# Allegro board BeagleBone AI -64_PCB_V1.02_211119.brd (continued)
## Routing (per net, layer and track width the routed paths; a pad name or vN(x,y) marks a point on that pad's centre or on a via; arc(x,y) is an arc through that point) (continued)
  BOTTOM w0.203: U3.14 21.41,15.04 21.41,15.04 v1(21.85,15.04)
ILIM_V3V3_DP0: length 1.4
  TOP w0.165: R312.1 13.19,11.4 13.22,11.37 U22.5
ILM: length 1.8
  BOTTOM w0.165: R16.1 40.47,13.47 40.44,13.44 U1.10
J27_MCU_BOOTMODE07: length 6.4
  TOP w0.229: U19.J27 -15.89,44.38 v1(-16.29,43.98)
  BOTTOM w0.114: -18.31,44.4 -16.76,44.4 -16.54,44.18 -16.49,44.18 v1(-16.29,43.98)
  BOTTOM w0.165: -18.31,44.4 -18.63,44.07 -20.37,44.07 -20.6,44.3 R124.2 -20.6,45.33 R125.1 -20.62,45.37
J28_WKUP_UART0_TXD: length 133.7
  TOP w0.165: v1(48.77,39.8) 48.67,39.9 U33.5
  TOP w0.229: U19.J28 -16.69,44.38 v1(-17.09,43.98)
  L5-SIGNAL w0.102: v1(48.77,39.8) 49.16,39.42 49.16,38.13 50.44,36.84 50.44,35.32 50.15,35.03 50.15,25.2 45.5,20.55 45.5,13.65 43.79,11.94 40.57,11.94 39.5,10.87 39.5,8.97 38.94,8.41 36.94,8.41 36.35,8.99 31.91,8.99 30.87,7.95 v1(30.84,7.95)
  L10-SIGNAL w0.102: v1(-19.27,16.82) -19.27,21.97 -17.81,23.43 -17.81,28.75 -17.6,28.97 -17.6,29.47 -17.81,29.68 -17.81,30.29 -18.36,30.84 -18.36,42.72 v1(-17.09,43.98)
  L12-SIGNAL w0.102: v1(-19.27,16.82) -18.79,16.33 -16.6,16.33 -15.23,14.96 -11.61,14.96 -11.58,14.99 -8.4,14.99 -7.84,14.43 -5.43,14.43 -4.93,13.93 -4.07,13.93 -1.11,10.97 1.34,10.97 3.43,8.88 4.58,8.88 4.96,8.5 5.28,8.5 5.92,9.15 14.03,9.15 14.74,8.43 16.11,8.43 17.18,9.5 18.35,9.5 18.73,9.12 19.56,9.12 20.17,9.73 27.79,9.73 29.78,7.75 30.64,7.75 v1(30.84,7.95)
J29_WKUP_UART0_RXD: length 139.7
  TOP w0.165: U33.6 48.17,39.72 v1(48.77,39.12)
  TOP w0.229: v1(-17.89,43.98) -17.89,43.98 U19.J29
  L5-SIGNAL w0.102: v1(30.28,6.58) 30.28,8.31 31.2,9.22 36.56,9.22 37.14,8.64 38.84,8.64 39.25,9.04 39.25,11.01 40.41,12.17 43.69,12.17 45.27,13.74 45.27,20.65 49.92,25.3 49.92,35.08 49.66,35.33 49.66,35.64 49.94,35.92 49.94,36.2 49.69,36.45 49.69,36.91 48.77,37.82 v1(48.77,39.12)
  L10-SIGNAL w0.102: v1(-17.89,43.98) -18.56,43.32 -18.56,39.22 -19.25,38.53 -19.25,38.23 -18.79,37.77 -18.79,36.06 -19.18,35.67 -19.18,33.56 -19.43,33.31 -19.43,31.57 -20.26,30.74 -20.26,17.81 -20.36,17.71 -20.36,14.16 -20.14,13.93 v1(-20.14,13.13)
  L12-SIGNAL w0.102: v1(30.28,6.58) 29.58,6.58 27.44,8.71 21.82,8.71 18.95,5.84 16.95,5.84 16.47,6.33 16.2,6.33 16.1,6.43 12.63,6.43 12.62,6.44 8.12,6.44 7.91,6.22 3.67,6.22 2.04,7.85 2.04,8.3 0.76,9.58 -1.66,9.58 -4.47,12.39 -8.73,12.39 -9.83,13.49 -19.78,13.49 v1(-20.14,13.13)
K24_AIN4/AC28_GPIO0_50: length 50
  L5-SIGNAL w0.102: v1(-22.17,22.84) -22.82,22.19 -26.56,22.19 -26.58,22.18 -28.82,22.18 v1(-29.13,22.48)
  L8-PWR/GND w0.127: v1(-28.72,46.46) -26.61,48.57 -26.61,54.54 -26.26,54.89 -26.26,55.48 v1(-25.93,55.81)
  L10-SIGNAL w0.102: v1(-29.13,22.48) -29.25,22.61 -29.25,25.02 -29.86,25.63 -29.86,26.57 -29.03,27.41 -29.03,39.68 -28.81,39.89 -28.81,41.31 -28.95,41.45 -28.95,41.76 -28.81,41.9 -28.81,43.38 -28.75,43.45 -28.75,44.72 -29.28,45.25 -29.28,45.9 v1(-28.72,46.46)
  BOTTOM w0.165: P9.33 -21.77,22.43 v1(-22.17,22.84) ; R129.2 -22.8,56.57 -23.29,56.07 -23.73,56.07 -23.95,56.29 -25.4,56.29 -25.52,56.17 -25.57,56.17 v1(-25.93,55.81) ; R145.2 v1(-28.72,46.46)
K25_AIN0/AJ28_GPIO0_54: length 65.8
  TOP w0.165: v1(-17.04,63.3) -16.96,63.22 R281.2 ; R187.2 v1(-29.81,43.81)
  L10-SIGNAL w0.102: v1(-29.33,21.78) -30.09,22.54 -30.09,28.27 -29.48,28.88 -29.48,39.78 -30.09,40.39 -30.09,43.52 v1(-29.81,43.81)
  L12-SIGNAL w0.102: v1(-29.81,43.81) -30.67,43.81 -31.06,44.2 -32.39,44.2 -32.52,44.07 -32.82,44.07 -32.95,44.2 -33.7,44.2 -33.8,44.3 -33.8,46.74 -35.45,48.39 -35.45,55.83 -35.83,56.21 -35.83,59.77 -34.77,60.83 -33.5,60.83 -32.76,61.57 -29.2,61.57 -28.92,61.85 -28.21,61.85 -27.45,62.61 -24.85,62.61 -24.67,62.79 -22.54,62.79 -22.16,63.17 -19.69,63.17 -19.45,62.93 -17.62,62.93 -17.53,63.02 -17.32,63.02 v1(-17.04,63.3)
  BOTTOM w0.165: v1(-29.33,21.78) -29.33,21.77 -29.39,21.71 P9.39
K26_AIN1/AA26_GPIO0_81: length 41
  TOP w0.165: R255.2 v1(-21.38,54.03) ; v1(-29.36,25.88) -29.29,25.82 D30.2
  L5-SIGNAL w0.102: v1(-29.15,52.67) -29.15,53.27 -28.9,53.52 -28.44,53.52 -27.67,54.29 -24.62,54.29 -24.45,54.12 -22.09,54.12 -22,54.03 v1(-21.38,54.03)
  L10-SIGNAL w0.102: v1(-29.15,52.67) -28.25,51.76 -28.25,50.79 -27.45,49.99 -27.45,49 -27.37,48.93 -27.37,48.4 v1(-28.36,47.42) -28.36,46.63 -27.65,45.92 -27.65,45.21 -27.86,45.01 -27.86,44.73 -27.96,44.63 -27.96,44.32 -27.86,44.22 -27.86,40.51 -28.8,39.57 -28.8,27.47 -28.72,27.39 -28.72,26.52 v1(-29.36,25.88)
  BOTTOM w0.165: v1(-29.36,25.88) -29.39,25.91 P9.40 ; v1(-28.36,47.42) -28.78,47.42 -29.4,46.8 R148.2
K27_AIN5/AH29_GPIO0_56: length 71.2
  TOP w0.165: R177.2 -32.62,44.39 v1(-32.67,44.44) ; D35.2 -21.78,27.79 v1(-22.29,27.79) ; v1(-21.02,62.79) -20.34,62.79 -19.99,63.14 -19.58,63.14 -19.52,63.08 R278.2
  L5-SIGNAL w0.102: v1(-22.29,27.79) -24.51,27.79 -24.7,27.6 -25.18,27.6 -26.31,28.73 -29.51,28.73 -30.25,27.99 -30.25,26.32 -30.63,25.93 -32.3,25.93 -33.01,26.65 v1(-33.01,27.05)
  L10-SIGNAL w0.102: v1(-32.67,44.44) -32.95,44.16 -32.95,44.15 -33.06,44.04 -33.06,42.83 -33.52,42.37 -33.52,40.64 -33.17,40.29 -33.17,27.28 -33.01,27.13 v1(-33.01,27.05)
  L12-SIGNAL w0.102: v1(-21.02,62.79) -22.22,62.79 -22.47,62.54 -24.6,62.54 -25.06,62.08 -27.55,62.08 -28.11,61.52 -28.92,61.52 -29.1,61.34 -31.13,61.34 -31.87,60.61 -34.67,60.61 -35.6,59.67 -35.6,56.31 -35.22,55.93 -35.22,48.48 -33.57,46.83 -33.57,45.34 v1(-32.67,44.44)
  BOTTOM w0.165: v1(-22.29,27.79) -24,27.79 -24.31,27.48 P9.36
K28_AIN2/AG28_GPIO0_57: length 50
  L5-SIGNAL w0.102: v1(-23.77,21.77) -23.82,21.82 v1(-26.41,21.82)
  L8-PWR/GND w0.127: v1(-23.77,21.77) -23.34,22.2 -23.34,27.48 -21.84,28.98 -21.84,37.06 -21.2,37.7 -21.2,38.4 -21.17,38.43 -21.17,39.35 -20.26,40.26 -20.26,40.54 -19.67,41.13 -19.67,42.44 -20.1,42.86 -20.1,45.7 v1(-19.73,46.06)
  L10-SIGNAL w0.102: v1(-19.75,62.71) -19.07,62.03 -19.07,54.71 -19.5,54.28 -19.5,53.27 -18.94,52.71 -18.94,50.75 -20.36,49.33 -20.36,46.7 v1(-19.73,46.06)
  BOTTOM w0.165: v1(-19.73,46.06) -19.73,46.1 -19.6,45.97 R117.2 ; R108.2 v1(-19.75,62.71) ; P9.37 -26.85,21.62 -26.64,21.82 v1(-26.41,21.82)
K29_AIN6/AH27_GPIO0_55: length 93.7
  TOP w0.165: v1(-21.63,43.79) -21.56,43.79 -21.44,43.91 R265.2
  L3-SIGNAL w0.102: v1(-21.63,43.79) -23.23,43.79 -23.78,44.34 -24.2,44.34 -24.25,44.29 -25.03,44.29 -26.59,45.85 -30.91,45.85 -31.22,46.17 -31.22,47.26 -30.88,47.61 v1(-30.88,48.01)
  L5-SIGNAL w0.102: v1(-30.88,48.01) -31.43,48.57 -37.2,48.57 v1(-37.51,48.87) ; v1(-36.72,25.88) -35.91,25.07 -35.91,24.16 -35.38,23.62 -27.63,23.62 -26.82,22.81 v1(-26.41,22.81)
  L10-SIGNAL w0.102: v1(-33.37,61.72) -36.47,61.72 -36.87,61.32 -36.87,52.88 -38.09,51.67 -38.09,49.46 v1(-37.51,48.87) -37.51,48.01 -38.96,46.56 -38.96,29.74 -38.07,28.86 -38.07,26.57 -37.87,26.37 -37.2,26.37 v1(-36.72,25.88)
  L12-SIGNAL w0.102: v1(-33.37,61.72) -32.98,61.72 -32.87,61.83 -30.22,61.83 -29.48,62.56 -29.48,63.33 -28.85,63.96 -28.23,63.96 -27.99,63.72 -27.99,63.71 -27.12,62.84 -24.94,62.84 -24.77,63.02 -22.64,63.02 -22.08,63.58 v1(-20.34,63.58)
  BOTTOM w0.165: v1(-26.41,22.81) -25.5,22.81 -24.31,21.62 P9.35 ; R109.2 v1(-20.34,63.58)
L28_AIN3/AG27_GPIO0_58: length 40.3
  TOP w0.165: v1(-21.65,47.62) -21.65,47.28 -21.15,46.78 R266.2 ; R257.2 v1(-21.46,59.56) ; v1(-25.67,28.65) -25.78,28.55 D33.2
  L8-PWR/GND w0.127: v1(-21.65,47.62) -22.97,47.62 -23.73,46.85 -23.73,45.21 -23.44,44.92 -23.44,43.32 -22.71,42.6 -22.71,41.49 -23.24,40.97 -23.63,40.97 -24.04,40.56 -24.04,35.96 -23.91,35.83 -23.91,35.5 -24.67,34.74 -24.67,33.06 -25.32,32.41 -25.32,29.01 v1(-25.67,28.65)
  L10-SIGNAL w0.102: v1(-21.65,47.62) -21.65,48.59 -21.62,48.62 -21.62,48.92 -21.84,49.14 -21.84,50.19 -21.69,50.34 -21.33,50.34 -21.15,50.52 -21.15,53.05 -21.09,53.11 -21.09,53.42 -21.15,53.48 -21.15,53.73 -21.01,53.87 -21.01,54.18 -21.15,54.32 -21.15,55.06 -21.48,55.38 -21.48,58.11 -21.76,58.4 -21.76,59.26 v1(-21.46,59.56)
  BOTTOM w0.165: v1(-25.67,28.65) -25.67,27.92 -26.85,26.74 P9.38
LEOA_GPIO9: length 13.8
  TOP w0.165: U30.19 v1(41.13,48.64)
  BOTTOM w0.165: v1(50.93,44.78) 46.1,49.62 41.57,49.62 41.13,49.17 v1(41.13,48.64)
LEOA_OSC32KCAP: length 1.3
  TOP w0.165: U30.40 v1(47,56.12)
  BOTTOM w0.254: C7.1 46.97,56.15 v1(47,56.12)
LEOA_OSC32KIN: length 8.5
  TOP w0.165: X5.2 51.64,59.97 51.29,59.62 51.29,59.08 C529.2 49.84,57.3 48.88,57.3 48.05,56.47 48.05,56.11 47.07,55.12 U30.38
LEOA_OSC32KOUT: length 11.3
  TOP w0.165: U30.39 47.1,55.62 47.66,56.18 47.66,56.6 48.69,57.63 49.64,57.63 50.54,58.53 C527.2 51.53,61.94 52.01,62.43 X5.1
LEOA_SCLK: length 34.7
  TOP w0.165: U29.23 v1(41.07,20.7) ; U30.23 v1(43.13,48.65)
  L5-SIGNAL w0.102: v1(41.07,20.7) 41.07,23.03 43.87,25.83 43.87,27.05 45.05,28.22 45.42,28.22 46.27,29.07 46.27,32.63 47.1,33.45 47.1,42.01 43.62,45.49 43.62,46.59 43.59,46.61 43.59,48.19 v1(43.13,48.65)
LEOA_SDATA: length 33.5
  TOP w0.165: U29.24 v1(41.57,21.25) ; U30.24 v1(43.63,49.19)
  L5-SIGNAL w0.102: v1(41.57,21.25) 41.57,23.2 44.1,25.73 44.1,26.95 44.11,26.95 45.15,27.99 45.6,27.99 46.58,28.97 46.58,32.55 47.33,33.3 47.33,42.11 43.85,45.59 43.85,48.39 43.63,48.61 v1(43.63,49.19)
LEOA_WDOG_DISABLE: length 3.3
  TOP w0.165: U30.41 47.15,56.62 v1(47.22,56.69)
  BOTTOM w0.254: R6.2 46.42,56.69 v1(47.22,56.69) 47.5,56.97 R4.2 R3.2
LEOB_ENABLE: length 31.1
  TOP w0.165: R338.2 R339.2 32.77,46.97 33.94,45.8 v1(33.94,44.32) ; v1(38.87,20.91) 39.17,21.21 39.38,21.21 39.57,21.41 U29.20
  L5-SIGNAL w0.102: v1(33.94,44.32) 33.94,31.55 37.12,28.37 37.12,22.66 v1(38.87,20.91)
LM5141_PG: length 99.8
  TOP w0.165: R176.1 -33.82,46.04 -33.23,46.64 v1(-33.04,46.64)
  L5-SIGNAL w0.102: v1(18.33,7.79) 15.45,10.67 3.56,10.67 1.88,12.35 -21.56,12.35 -24.38,9.53 -30.88,9.53 v1(-31.18,9.22)
  L10-SIGNAL w0.102: v1(-33.04,46.64) -33.04,46.24 -33.29,45.99 -33.29,42.98 -34.49,41.78 -34.49,40.74 -33.95,40.21 -33.95,37.8 -33.94,37.79 -33.94,37.3 -34.04,37.19 -34.04,32.8 -33.42,32.18 -33.42,26.85 -32.61,26.04 -32.61,21.85 -31.1,20.33 -31.1,18.51 -30.37,17.78 -30.37,14.28 -30.54,14.11 -30.54,12.66 -29.75,11.88 -29.75,10.05 -30.58,9.22 v1(-31.18,9.22)
  BOTTOM w0.165: v1(18.33,7.79) R47.2 18.19,7.81 18.64,8.26 U3.21
LM5141_PG_R: length 3.7
  TOP w0.165: R176.2 -32.91,46.02 -32.69,46.25 U16.2
LO_LM5141: length 3.4
  BOTTOM w0.203: U3.8 17.64,16.71 17.44,16.91 15.97,16.91 15.42,16.37 R60.1
LOL_LM5141: length 2.7
  BOTTOM w0.203: U3.7 17.14,16.4 16.99,16.54 16.35,16.54 15.42,15.61 R61.1
LPDDR4_CA0: length 34.1
  TOP w0.251: v1(25.99,41.94) 25.99,41.94 25.59,41.62 U25.H2 ; v1(2.91,42.38) 2.91,42.38 U19.G4 ; v1(25.99,45.85) 25.59,46.17 U25.R2
  L3-SIGNAL w0.076: v1(25.99,45.85) 25.74,45.6 25.69,45.6 25.59,45.49 25.59,45.29 26.1,44.78 26.1,44.52 v1(25.58,44) 25.88,43.7 25.88,42.89 25.58,42.59 25.58,42.35 v1(25.99,41.94)
  L12-SIGNAL w0.173: v1(25.58,44) 24.77,43.19 23.38,43.19 22.26,42.07 22.26,41.08 22.52,40.83 22.52,40.44 22.16,40.09 21.75,40.09 21.37,40.47 16.42,40.47 15.71,39.76 7.22,39.76 6.16,40.83 6.16,41.51 5.69,41.98 3.31,41.98 v1(2.91,42.38)
LPDDR4_CA1: length 34
  TOP w0.251: U25.P2 v1(25.19,45.85) ; U19.H3 v1(3.71,43.18) ; U25.J2 v1(25.19,41.94)
  L3-SIGNAL w0.076: v1(25.19,41.94) 24.79,42.34 24.79,42.77 24.48,43.08 24.48,43.69 v1(24.79,44) 24.54,44.25 24.45,44.25 24.3,44.4 24.3,44.62 24.83,45.14 24.83,45.49 v1(25.19,45.85)
  L12-SIGNAL w0.173: v1(24.79,44) 25.15,44.35 25.15,44.64 25.05,44.74 23.05,44.74 22.68,44.37 22.68,43.2 21.73,42.25 21.73,41.16 21.45,40.88 17.01,40.88 16.99,40.9 16.19,40.9 15.56,40.27 7.41,40.27 6.74,40.94 6.74,42.38 6.49,42.63 5.63,42.63 5.48,42.78 4.11,42.78 v1(3.71,43.18)
LPDDR4_CA2: length 34.1
  TOP w0.251: U25.R9 19.99,46.19 19.59,45.86 v1(19.59,45.85) ; U19.K5 2.11,44.78 v1(2.11,44.78) ; v1(19.59,41.94) 19.91,41.62 U25.H9
  L3-SIGNAL w0.076: v1(19.59,45.85) 20,45.43 20,45.02 20.2,44.81 20.33,44.81 20.44,44.7 20.44,44.46 v1(19.98,44) 20.28,43.69 20.28,43.18 19.98,42.87 19.98,42.34 v1(19.59,41.94)
  L12-SIGNAL w0.173: v1(2.11,44.78) 2.51,45.18 2.51,45.81 2.69,45.98 3.88,45.98 4.11,46.22 4.11,46.55 4.35,46.78 5.71,46.78 6.44,47.51 11.46,47.51 11.8,47.85 11.8,48.13 12.45,48.78 14.82,48.78 16.24,47.36 17.16,47.36 17.19,47.33 21.6,47.33 22.07,46.86 22.07,44.96 21.53,44.41 20.39,44.41 v1(19.98,44)
LPDDR4_CA3: length 34.1
  TOP w0.251: U25.H10 18.79,41.94 v1(18.79,41.94) ; U25.R10 v1(18.79,45.85) ; U19.J4 2.51,44.38 2.91,43.98 v1(2.91,43.98)
  L3-SIGNAL w0.076: v1(18.79,45.85) 19.23,45.4 19.23,45.05 19.68,44.6 19.68,44.39 19.53,44.25 19.44,44.25 v1(19.19,44) 19.5,43.69 19.5,43.12 19.19,42.81 19.19,42.35 v1(18.79,41.94)
  L12-SIGNAL w0.173: v1(19.19,44) 19.19,44.49 19.49,44.78 21.29,44.78 21.72,45.21 21.72,46.6 21.41,46.91 17.01,46.91 16.67,46.57 15.45,46.57 15,47.02 15,47.81 14.74,48.06 12.8,48.06 12.54,47.81 12.54,47.13 12.38,46.97 6.76,46.97 5.77,45.98 5.48,45.98 5.48,45.98 5.09,45.98 4.91,45.8 4.91,45.42 4.68,45.18 3.53,45.18 3.31,44.97 3.31,44.38 v1(2.91,43.98)
LPDDR4_CA4: length 34.1
  TOP w0.251: U25.H11 v1(17.99,41.94) ; U25.R11 v1(17.99,45.85) ; U19.K2 v1(4.51,44.78)
  L3-SIGNAL w0.076: v1(17.99,41.94) 18.38,42.34 18.38,42.75 18.7,43.07 18.7,43.68 v1(18.38,44) 18.63,44.25 18.77,44.25 18.83,44.31 18.83,44.62 18.4,45.06 18.4,45.43 v1(17.99,45.85)
  L12-SIGNAL w0.173: v1(18.38,44) 18.77,44.39 18.77,44.66 18.64,44.78 18.31,44.78 18.09,44.56 16.77,44.56 16.57,44.76 16.57,45.65 16.24,45.98 15.62,45.98 15.47,45.83 14.54,45.83 14.31,46.06 14.31,46.44 14.11,46.64 13.42,46.64 13.22,46.44 13.22,45.14 13.02,44.94 12.13,44.94 11.87,45.19 11.87,46.24 11.67,46.44 11.09,46.44 10.88,46.24 10.88,45.14 10.68,44.94 9.92,44.94 9.76,45.09 9.76,46.31 9.61,46.46 9.13,46.46 8.97,46.3 8.97,45.1 8.81,44.94 8.59,44.94 8.43,45.1 8.43,45.97 8.27,46.13 8.04,46.13 7.88,45.97 7.88,45.1 7.72,44.94 7.49,44.94 7.33,45.1 7.33,45.97 7.17,46.13 6.79,46.13 6.67,46.01 6.67,45.37 6.48,45.18 5.15,45.18 5.13,45.17 5.12,45.17 4.73,44.78 v1(4.51,44.78)
LPDDR4_CA5: length 34.1
  TOP w0.251: U25.P11 v1(17.99,45.2) ; U19.H5 v1(2.11,43.18) ; U25.J11 v1(17.99,42.59)
  L3-SIGNAL w0.076: v1(17.99,45.2) 18.24,44.95 18.24,44.61 18.05,44.42 17.7,44.42 17.58,44.53 17.18,44.53 17.01,44.36 v1(17.01,44) 17.01,43.65 17.16,43.49 18.02,43.49 18.18,43.34 18.18,43.14 17.99,42.95 v1(17.99,42.59)
  L12-SIGNAL w0.173: v1(2.11,43.18) 2.51,43.58 3.91,43.58 4.11,43.78 4.11,44.19 4.31,44.38 5.48,44.38 5.49,44.4 7.97,44.4 8.19,44.18 8.19,43.57 8.39,43.37 8.7,43.37 8.9,43.57 8.9,44.15 9.1,44.36 9.48,44.36 9.68,44.15 9.68,43.5 9.84,43.34 10.07,43.34 10.23,43.5 10.23,44.12 10.39,44.28 10.61,44.28 10.77,44.12 10.77,43.5 10.93,43.34 11.16,43.34 11.32,43.5 11.32,44.37 11.48,44.53 11.71,44.53 11.87,44.37 11.87,43.5 12.03,43.34 12.25,43.34 12.41,43.5 12.41,44.12 12.57,44.28 12.8,44.28 12.96,44.12 12.96,43.65 13.12,43.49 13.34,43.49 13.5,43.65 13.5,44.12 13.66,44.28 14.08,44.28 14.24,44.12 14.24,43.45 14.4,43.29 14.67,43.29 14.87,43.49 14.87,45.16 15.03,45.32 15.42,45.32 15.58,45.16 15.58,43.95 15.81,43.72 16.17,43.72 16.45,44 v1(17.01,44)
LPDDR4_CK_C: length 34.1
  TOP w0.165: U25.P9 v1(20.39,45.85) ; v1(20.39,41.94) 20.06,42.27 U25.J9 ; v1(5.31,43.98) 5.04,44.25 5.04,44.25 U19.J1
  L3-SIGNAL w0.076: v1(20.39,45.85) 20.82,45.41 21.1,45.41 21.45,45.05 21.45,44.04 v1(21.41,44) 21.41,42.97 v1(20.39,41.94)
  L12-SIGNAL w0.163: v1(21.41,44) 21.49,44 21.67,43.82 21.67,43.5 21.48,43.31 16.62,43.31 16.44,43.14 15.66,43.14 14.95,42.43 14.95,41.66 14.78,41.5 14.27,41.5 14.08,41.69 14.08,42.32 13.7,42.71 13.15,42.71 12.81,42.36 12.81,41.36 12.63,41.18 12.26,41.18 12.1,41.34 12.1,42.29 11.73,42.65 11.1,42.65 10.73,42.29 10.73,41.28 10.48,41.03 10.05,41.03 9.82,41.27 9.82,42.34 9.47,42.68 8.78,42.68 8.44,42.34 8.44,41.3 8.28,41.14 7.92,41.14 7.73,41.32 7.73,42.73 6.97,43.49 5.64,43.49 5.53,43.59 5.45,43.59 5.28,43.76 5.28,43.95 v1(5.31,43.98)
LPDDR4_CK_T: length 34.1
  TOP w0.165: v1(5.31,43.18) 5.31,43.18 U19.H1 ; v1(21.19,41.94) 20.86,42.27 U25.J8 ; U25.P8 v1(21.19,45.85)
  L3-SIGNAL w0.076: v1(21.19,41.94) 22.13,42.89 22.13,43.92 v1(22.06,44) 22.14,44.07 22.14,45.22 21.51,45.85 v1(21.19,45.85)
  L12-SIGNAL w0.163: v1(5.31,43.18) 6.85,43.18 7.43,42.6 7.43,41.2 7.79,40.83 8.41,40.83 8.75,41.17 8.75,42.21 8.91,42.38 9.35,42.38 9.51,42.21 9.51,41.14 9.93,40.72 10.6,40.72 11.03,41.16 11.03,42.16 11.22,42.35 11.61,42.35 11.8,42.16 11.8,41.22 12.14,40.88 12.76,40.88 13.12,41.23 13.12,42.24 13.28,42.4 13.57,42.4 13.78,42.2 13.78,41.56 14.14,41.2 14.91,41.2 15.25,41.54 15.25,42.3 15.78,42.83 16.57,42.83 16.75,43.01 21.61,43.01 21.97,43.37 21.97,43.91 v1(22.06,44)
LPDDR4_CKE0: length 34.1
  TOP w0.264: v1(24.39,45.85) 24.33,45.85 24.18,45.7 24.17,45.7 U25.P4 ; v1(3.71,42.38) 3.71,42.38 U19.G3 ; U25.J4 v1(24.39,41.94)
  L3-SIGNAL w0.076: v1(24.39,41.94) 23.98,42.35 23.98,42.89 23.68,43.19 23.68,43.7 v1(23.98,44) 23.73,44.25 23.62,44.25 23.51,44.35 23.51,44.62 23.99,45.1 23.99,45.45 v1(24.39,45.85)
  L10-SIGNAL w0.159: v1(23.98,44) 23.98,43.4 23.82,43.24 23.16,43.24 23,43.08 23,42.85 22.87,42.73 22.62,42.73 22.51,42.84 22.51,43.43 22.39,43.54 21.84,43.54 20.77,43.54 16.85,43.54 15.07,41.77 11.24,41.77 11.09,41.92 11.09,42.85 10.93,43.01 10.37,43.01 10.2,42.83 10.2,41.91 10.05,41.77 9.49,41.77 9.35,41.91 9.35,42.93 9.19,43.09 8.57,43.09 8.42,42.93 8.42,42.38 8.27,42.22 7.88,42.22 7.74,42.37 7.74,42.75 7.4,43.09 6.34,43.09 6.03,42.78 4.11,42.78 v1(3.71,42.38)
LPDDR4_CKE1: length 34.1
  TOP w0.264: U25.P5 v1(22.79,45.85) ; v1(22.79,41.94) 23.11,42.27 U25.J5 ; v1(3.71,43.98) 3.71,43.98 U19.J3
  L3-SIGNAL w0.076: v1(22.79,45.85) 23.18,45.46 23.18,45.31 22.69,44.82 22.69,44.41 22.85,44.25 22.94,44.25 v1(23.19,44) 23.19,43.4 22.89,43.11 22.89,42.88 23.19,42.59 23.19,42.35 v1(22.79,41.94)
  L10-SIGNAL w0.159: v1(3.71,43.98) 4.11,43.59 11.46,43.59 11.62,43.42 11.62,42.58 11.85,42.35 14.91,42.35 15.07,42.51 15.07,42.78 14.9,42.96 12.48,42.96 12.33,43.11 12.33,43.42 12.48,43.58 15.67,43.58 16.52,44.43 22.34,44.43 22.78,44 v1(23.19,44)
LPDDR4_CSN0_0: length 28.1
  TOP w0.264: U25.H4 v1(23.59,41.94) ; U19.J5 2.11,43.98 v1(2.11,43.98)
  L10-SIGNAL w0.159: v1(23.59,41.94) 23.18,42.35 21.55,42.35 20.76,43.13 17.13,43.13 15.3,41.31 9.23,41.31 8.77,41.77 8.31,41.77 8.09,41.54 8.09,40.55 7.88,40.34 7.58,40.34 7.38,40.55 7.38,41.79 7.02,42.15 5.8,42.15 5.64,41.99 3.47,41.99 3.31,42.15 3.31,42.55 3.08,42.78 3.07,42.78 2.73,42.78 2.51,43 2.51,43.59 v1(2.11,43.98)
LPDDR4_CSN0_1: length 28.1
  TOP w0.264: v1(23.59,45.85) 23.66,45.85 U25.R4 ; v1(3.71,44.78) 3.71,44.78 U19.K3
  L10-SIGNAL w0.159: v1(3.71,44.78) 4.11,45.19 9.54,45.19 9.84,44.89 11.59,44.89 11.82,45.12 11.82,46.95 12,47.12 14.13,47.12 14.34,46.92 14.34,46.06 14.69,45.7 15.25,45.7 15.61,46.06 15.61,47 15.96,47.35 19.91,47.35 19.92,47.35 21.47,47.35 22.46,48.34 22.93,48.34 23.18,48.09 23.18,47.31 23.18,47.31 23.18,46.25 v1(23.59,45.85)
LPDDR4_CSN1_0: length 28.1
  TOP w0.264: U25.H3 v1(24.39,41.29) ; U19.G5 v1(2.11,42.38)
  L10-SIGNAL w0.159: v1(24.39,41.29) 23.99,40.9 23.99,39.8 23.76,39.58 23.41,39.58 23.18,39.8 23.18,40.26 22.34,41.1 21.6,41.1 21.35,40.85 9.3,40.85 8.14,39.68 7.35,39.68 6.78,40.25 6.78,40.94 6.53,41.19 2.67,41.19 2.51,41.34 2.51,41.98 v1(2.11,42.38)
LPDDR4_CSN1_1: length 28.1
  TOP w0.264: U19.J2 v1(4.51,43.98) ; U25.R3 v1(25.19,46.5)
  L10-SIGNAL w0.159: v1(25.19,46.5) 24.78,46.91 24.78,46.98 24.78,46.98 24.78,47.45 24.62,47.61 24.14,47.61 23.99,47.46 23.99,45.04 23.98,45.04 23.98,45.03 23.75,44.8 23.75,44.8 23.72,44.78 22.88,44.78 21.74,45.92 21.74,46.69 21.52,46.9 16.75,46.9 16.11,46.26 16.11,45.49 15.01,44.38 4.91,44.38 v1(4.51,43.98)
LPDDR4_DM0_DBI0#: length 31.6
  TOP w0.264: U19.A3 3.71,37.58 v1(3.71,37.58) ; v1(25.19,38.69) 25.18,38.69 U25.C3
  L5-SIGNAL w0.159: v1(3.71,37.58) 3.71,37.53 4.12,37.12 5.45,37.12 6.34,38.01 8.95,38.01 9.66,37.3 10.17,37.3 10.32,37.45 10.32,37.83 10.48,37.98 10.78,37.98 10.96,37.8 10.96,37.19 11.29,36.86 16.32,36.86 16.5,36.69 16.5,36.41 16.34,36.25 14.72,36.25 14.56,36.1 14.56,35.61 14.71,35.47 16.48,35.47 16.84,35.82 19.24,35.82 19.7,36.28 20.45,36.28 20.45,36.28 20.64,36.28 21.3,36.94 23.7,36.94 23.98,37.23 23.98,37.24 23.99,37.24 23.99,38.21 24.22,38.44 24.55,38.44 24.56,38.44 24.93,38.44 v1(25.19,38.69)
LPDDR4_DM1_DBI1#: length 25.5
  TOP w0.264: U25.C10 v1(19.59,38.04) ; U19.E4 v1(2.91,40.78)
  L3-SIGNAL w0.159: v1(19.59,38.04) 19.19,37.65 19.19,37.32 18.2,36.33 11.89,36.33 11.47,36.75 10.47,36.75 10.32,36.9 10.32,37.8 10.17,37.96 9.94,37.96 9.78,37.8 9.78,37.42 9.63,37.27 9.38,37.27 9.23,37.42 9.23,37.78 9.02,37.99 8.74,37.99 8.59,37.84 8.59,37.73 8.44,37.57 8.21,37.57 8.05,37.73 8.05,37.84 7.9,37.99 7.67,37.99 7.52,37.84 7.52,37.73 7.37,37.57 7.14,37.57 6.99,37.73 6.99,37.84 6.84,37.99 6.61,37.99 6.45,37.84 6.45,37.73 6.3,37.57 6.07,37.57 5.92,37.73 5.92,37.83 5.77,37.98 2.71,37.98 2.51,38.18 2.51,40.38 v1(2.91,40.78)
LPDDR4_DM2_DBI2#: length 31.5
  TOP w0.264: U19.N1 5.31,47.18 v1(5.31,47.18) ; U25.Y3 25.18,49.1 v1(25.19,49.1)
  L5-SIGNAL w0.159: v1(25.19,49.1) 24.79,49.1 24.62,49.27 21.81,49.27 21.5,48.95 17.74,48.95 16.44,47.66 15.21,47.66 15.06,47.81 15.06,49.14 14.9,49.31 13.12,49.31 12.89,49.54 12.89,50.22 12.69,50.43 10.27,50.43 10.11,50.27 10.11,50.05 10.27,49.89 12.2,49.89 12.36,49.74 12.36,49.51 12.2,49.36 8.95,49.36 8.8,49.21 8.8,48.6 7.94,47.73 7.94,46.8 7.78,46.64 7.24,46.64 7.06,46.82 6.2,46.82 5.78,47.24 5.41,47.24 5.36,47.18 v1(5.31,47.18)
LPDDR4_DM3_DBI3#: length 21.9
  TOP w0.264: U19.R5 2.11,48.79 v1(2.11,48.79) ; v1(18.79,49.75) 18.79,49.75 U25.Y10
  L3-SIGNAL w0.159: v1(2.11,48.79) 2.51,49.19 3.09,49.19 3.31,49.41 3.31,49.76 4.34,50.78 5.55,50.78 7.25,52.48 7.26,52.48 7.29,52.51 9.42,52.51 9.57,52.36 9.57,51.98 9.92,51.63 11.35,51.63 12.19,52.47 16.02,52.47 17.33,51.16 17.78,51.16 18.43,50.52 18.43,49.94 18.62,49.75 v1(18.79,49.75)
LPDDR4_DQ0: length 31.6
  TOP w0.264: v1(25.99,37.39) 25.94,37.39 25.61,37.72 U25.B2 ; U19.A5 v1(2.11,37.58)
  L5-SIGNAL w0.159: v1(2.11,37.58) 2.11,37.01 2.71,36.42 3.47,35.65 4.45,35.65 4.63,35.47 4.63,34.96 4.79,34.81 5.07,34.81 5.22,34.96 5.22,35.52 5.37,35.67 5.78,35.67 5.93,35.52 5.93,34.53 6.13,34.32 6.7,34.32 6.86,34.48 6.86,34.82 7.04,35 7.31,35 7.49,34.82 7.49,34.48 7.65,34.32 9.82,34.32 10.09,34.05 19.86,34.05 20.09,34.29 20.09,34.61 20.38,34.91 22.24,34.91 22.85,35.52 24.71,35.52 25.99,36.79 v1(25.99,37.39)
LPDDR4_DQ1: length 31.6
  TOP w0.264: U25.C2 v1(25.99,38.04) ; U19.A6 v1(1.31,37.58)
  L5-SIGNAL w0.159: v1(1.31,37.58) 1.59,37.3 1.59,36.94 3.27,35.25 3.85,35.25 4.16,34.94 4.16,34.18 4.48,33.87 9.66,33.87 9.99,33.54 22.5,33.54 24.03,35.06 25.05,35.06 26.47,36.48 26.47,37.56 v1(25.99,38.04)
LPDDR4_DQ2: length 31.5
  TOP w0.264: U25.E2 25.59,39.67 v1(25.99,39.34) ; U19.B5 2.11,38.38 v1(2.11,38.38)
  L5-SIGNAL w0.159: v1(2.11,38.38) 2.51,37.98 2.51,37.34 3.64,36.2 6.52,36.2 6.68,36.36 6.68,36.76 6.84,36.91 7.14,36.91 7.32,36.73 7.32,36.36 7.48,36.2 9.21,36.2 9.46,35.95 9.46,35.26 10.27,34.45 16.76,34.45 17.22,34.91 19.62,34.91 19.89,35.17 20.07,35.36 21.01,35.36 21.7,36.05 24.6,36.05 25.59,37.04 25.59,38.94 v1(25.99,39.34)
LPDDR4_DQ3: length 31.6
  TOP w0.264: v1(4.51,39.18) 4.51,39.18 U19.C2 ; U25.F2 25.59,40.32 v1(25.99,40.64)
  L5-SIGNAL w0.159: v1(4.51,39.18) 4.91,39.58 5.7,39.58 6.54,40.42 6.54,40.98 6.78,41.22 9.7,41.22 9.85,41.37 9.85,42.04 10,42.2 10.23,42.2 10.38,42.04 10.38,41.37 10.54,41.22 10.76,41.22 10.92,41.37 10.92,41.92 11.07,42.07 11.3,42.07 11.45,41.92 11.45,41.37 11.6,41.22 11.99,41.22 12.15,41.37 12.15,41.83 12.3,41.99 12.53,41.99 12.68,41.83 12.68,41.31 12.98,41.02 14.43,41.02 14.97,40.47 21.32,40.47 21.78,40.02 22.14,40.02 22.86,39.3 23.59,39.3 24.34,40.05 24.55,40.05 24.83,40.33 24.83,40.68 24.94,40.79 25.28,40.79 25.4,40.67 25.4,40.36 25.97,39.78 26.23,39.78 26.38,39.93 26.38,40.48 26.21,40.64 v1(25.99,40.64)
LPDDR4_DQ4: length 31.5
  TOP w0.264: U25.F4 24.39,40.64 v1(24.39,40.64) ; U19.B4 v1(2.91,38.38)
  L5-SIGNAL w0.159: v1(2.91,38.38) 3.31,38.78 3.31,41.75 3.55,41.98 5.78,41.98 6.4,42.6 8.74,42.6 9.3,43.16 15.63,43.16 15.81,42.98 15.81,41.67 15.97,41.51 16.43,41.51 16.58,41.67 16.58,42.69 17.08,43.19 22.61,43.19 22.92,43.5 23.62,43.5 23.99,43.13 23.99,41.04 v1(24.39,40.64)
LPDDR4_DQ5: length 31.6
  TOP w0.264: U25.E4 v1(23.59,39.99) ; U19.C3 v1(3.71,39.18)
  L5-SIGNAL w0.159: v1(3.71,39.18) 4.11,39.58 4.11,40.95 4.35,41.18 5.74,41.18 6.7,42.15 7.17,42.15 7.33,41.99 7.33,41.87 7.49,41.71 7.81,41.71 7.97,41.87 7.97,41.99 8.12,42.15 9.13,42.15 9.69,42.71 13.68,42.71 13.88,42.5 13.88,41.66 13.89,41.65 14.03,41.5 14.4,41.5 14.56,41.66 14.56,42.55 14.77,42.77 15.16,42.77 15.35,42.57 15.35,41.06 15.51,40.9 17.44,40.9 17.6,41.06 17.6,41.3 17.76,41.45 18.08,41.45 18.24,41.3 18.24,40.98 18.4,40.83 20.47,40.83 20.77,41.13 20.77,42.08 21.11,42.42 22.94,42.42 23.19,42.17 23.19,40.26 23.46,39.99 v1(23.59,39.99)
LPDDR4_DQ6: length 31.5
  TOP w0.264: U25.C4 23.97,38.37 23.64,38.04 v1(23.59,38.04) ; U19.A2 v1(4.51,37.58)
  L5-SIGNAL w0.159: v1(4.51,37.58) 4.91,37.98 5.66,37.98 6.15,38.46 10.86,38.46 11.36,37.97 11.36,37.51 11.59,37.27 13.72,37.27 13.98,37.52 13.98,38.21 14.21,38.44 16.39,38.44 16.55,38.29 16.55,38.06 16.39,37.9 14.66,37.9 14.51,37.75 14.51,37.52 14.66,37.37 17.27,37.37 17.54,37.1 17.54,36.68 17.69,36.53 18.27,36.53 18.43,36.69 18.43,37.9 18.58,38.05 18.9,38.05 19.09,37.87 19.09,37.13 19.29,36.92 19.49,36.92 20.27,36.92 20.47,36.92 20.54,37 20.55,37 20.78,37.23 20.78,37.24 20.79,37.24 20.79,37.9 20.94,38.06 21.68,38.06 21.83,37.9 21.83,37.45 21.98,37.3 22.84,37.3 v1(23.59,38.04)
